# Altium PCB ALCT_MEZ_SPARTAN6T.PcbDoc (part 10 of 12)
Units mil, origin at the board's own origin, x right, y up, seen from the top; angles counter-clockwise.
Board outline 4100 x 5351.19 mil, 12 copper layers (Top Layer, Mid-Layer 1, +3V3, Mid-Layer 2, +1V2, Mid-Layer 4, +1V8, Mid-Layer 5, GND1, Mid-Layer 7, GND2, Bottom Layer), stack 64.7 mil thick; 320 components, 598 nets, 2316 pads, 1572 vias.
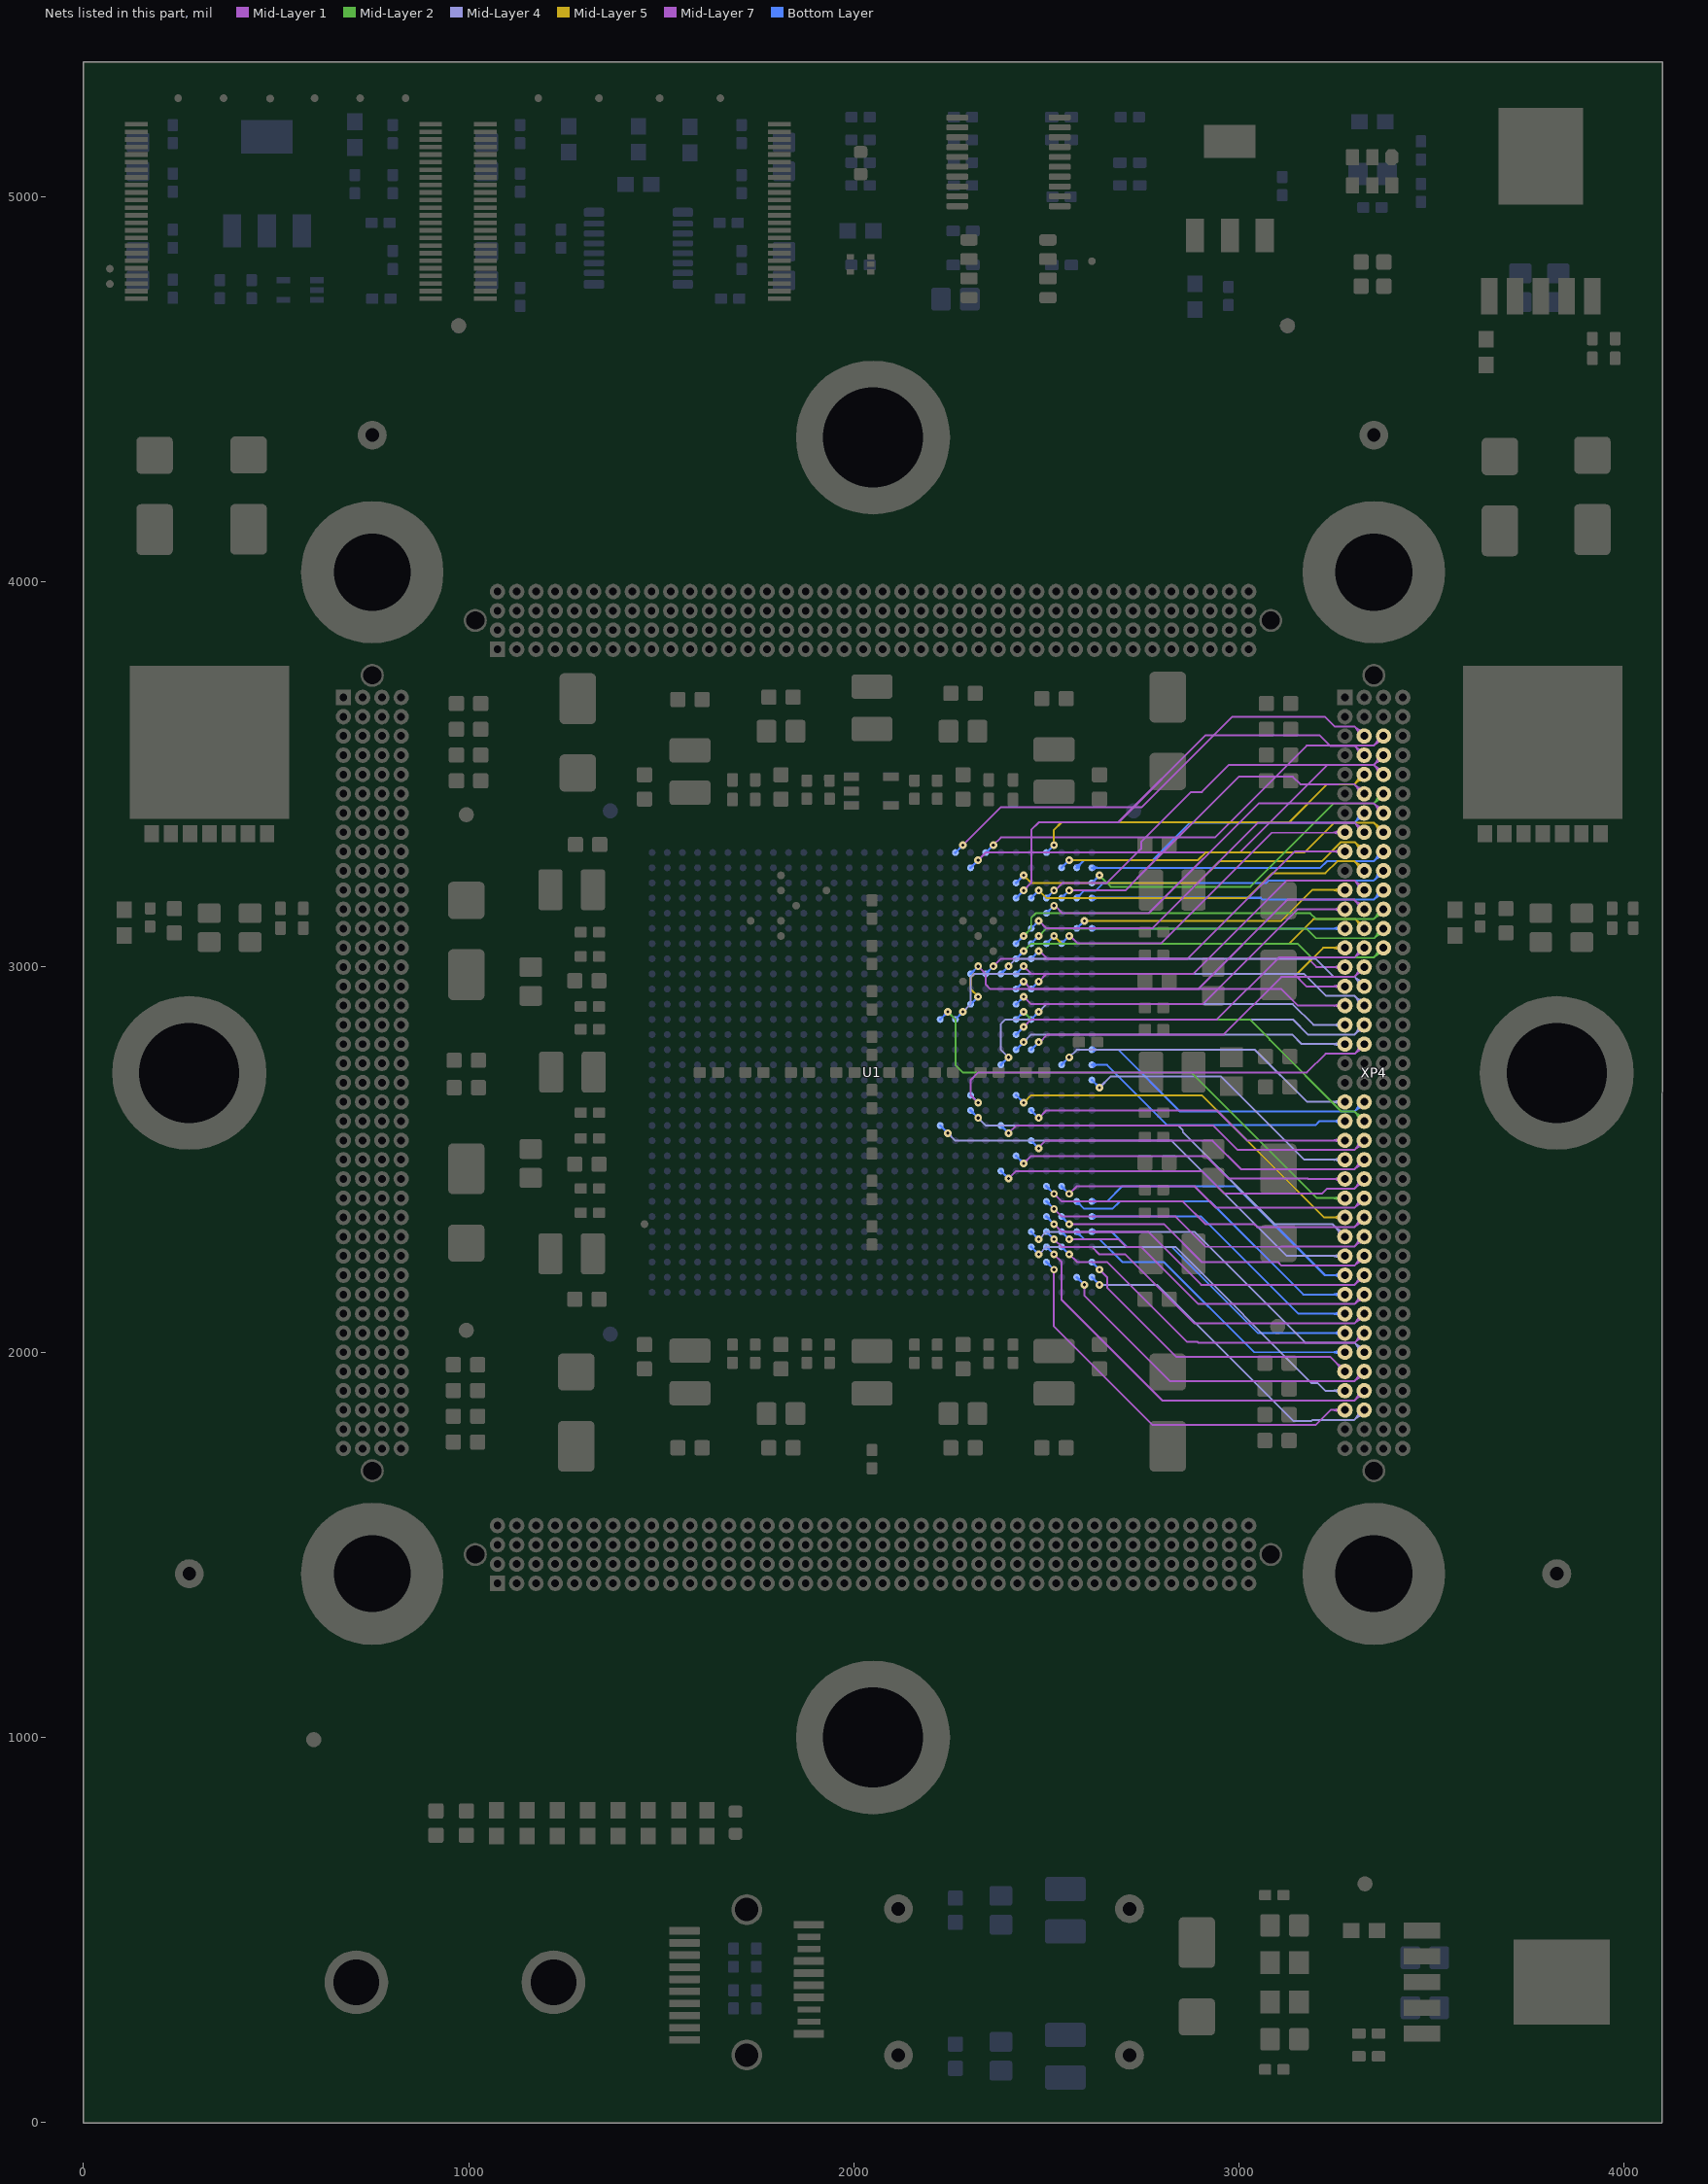
[diagram p20: the nets of this part, all layers, seen from the top]

## Via types
v1: diameter 20, hole 8, Top Layer to Bottom Layer, tented both sides, 1562 vias
v2: diameter 40, hole 20, Top Layer to Bottom Layer, 6 vias
v3: diameter 40, hole 20, Top Layer to Bottom Layer, tented both sides, 4 vias

## Nets (pads, with @x,y where several pads share a name; then routed paths per layer and width w, separated by ;. In a path a pad name is that pad's centre, name@x,y a point inside that pad or via, vN(x,y) a via of type N, cw(c..) or ccw(c..) an arc to the next point about the centre after c; other vN are vias at no path point) (continued)
XP4A_8: U1.C24 XP4.A8 | length 1037.8
  Mid-Layer 1 w5: v1(2559.06,3080.7) 2561.59,3080.7 2581.1,3061.19 2797.39,3061.19 3085.02,3348.82 XP4.A8@3275,3348.82 ; 3239.56,3348.82 ccw(c3239.56,3385.44) 3265.46,3359.55 cw(c3239.55,3385.44) 3239.55,3348.82 ; 3245.26,3348.82 cw(c3245.26,3320.26) 3265.46,3340.45 ccw(c3245.26,3320.26) 3245.26,3348.82 ; 3251.63,3348.82 ccw(c3251.63,3373.37) 3268.99,3356.01 cw(c3251.62,3373.37) 3251.62,3348.82 ; 3257.34,3348.82 cw(c3257.34,3332.33) 3268.99,3343.99 ccw(c3257.33,3332.33) 3257.33,3348.82
  Bottom Layer w6: U1.C24@2539.38,3061.01 v1(2559.06,3080.7)
XP4A_9: U1.E23 XP4.A9 | length 1112.7
  Mid-Layer 1 w5: v1(2480.33,3041.33) 2482.86,3041.33 2502.37,3021.82 2866.29,3021.82 3144.47,3300 XP4.A9@3275,3300 ; 3242.41,3300 ccw(c3242.41,3332.59) 3265.46,3309.55 cw(c3242.4,3332.59) 3242.4,3300 ; 3242.41,3300 cw(c3242.41,3267.41) 3265.46,3290.45 ccw(c3242.4,3267.41) 3242.4,3300 ; 3254.48,3300 ccw(c3254.48,3320.52) 3268.99,3306.01 cw(c3254.48,3320.52) 3254.48,3300 ; 3254.48,3300 cw(c3254.48,3279.48) 3268.99,3293.99 ccw(c3254.48,3279.48) 3254.48,3300
  Bottom Layer w6: U1.E23@2460.63,3021.65 v1(2480.33,3041.33)
XP4A_11: U1.B25 XP4.A11 | length 904.4
  Mid-Layer 5 w5: v1(2598.43,3120.08) 3110.24,3120.08 3190.16,3200 XP4.A11@3275,3200 ; 3242.41,3200 ccw(c3242.41,3232.59) 3265.46,3209.55 cw(c3242.4,3232.59) 3242.4,3200 ; 3242.41,3200 cw(c3242.41,3167.41) 3265.46,3190.45 ccw(c3242.4,3167.41) 3242.4,3200 ; 3254.48,3200 ccw(c3254.48,3220.52) 3268.99,3206.01 cw(c3254.48,3220.52) 3254.48,3200 ; 3254.48,3200 cw(c3254.48,3179.48) 3268.99,3193.99 ccw(c3254.48,3179.48) 3254.48,3200
  Bottom Layer w6: U1.B25@2578.74,3100.39 v1(2598.43,3120.08)
XP4A_12: U1.F20 XP4.A12 | length 1138.9
  Mid-Layer 1 w5: v1(2440.94,2923.19) 2460.45,2903.68 2905.63,2903.68 3151.95,3150 XP4.A12@3275,3150 ; 3242.41,3150 ccw(c3242.41,3182.59) 3265.46,3159.55 cw(c3242.4,3182.59) 3242.4,3150 ; 3242.41,3150 cw(c3242.41,3117.41) 3265.46,3140.45 ccw(c3242.4,3117.41) 3242.4,3150 ; 3254.48,3150 ccw(c3254.48,3170.52) 3268.99,3156.01 cw(c3254.48,3170.52) 3254.48,3150 ; 3254.48,3150 cw(c3254.48,3129.48) 3268.99,3143.99 ccw(c3254.48,3129.48) 3254.48,3150
  Bottom Layer w6: U1.F20@2421.26,2903.51 v1(2440.94,2923.19)
XP4A_13: U1.A25 XP4.A13 | length 848.1
  Bottom Layer w5: U1.A25@2618.11,3100.39 2618.3,3100.21 3275,3100.21 XP4.A13@3275,3100 ; U1.A25@2622.61,3095.9 cw(c2633.01,3085.49) 2633.01,3100.21 ; U1.A25@2622.61,3104.89 ccw(c2633.91,3116.19) 2633.91,3100.21 ; 3241.91,3100.21 cw(c3241.91,3066.9) 3265.46,3090.45 ccw(c3241.9,3066.9) 3241.9,3100.21 ; 3242.92,3100.21 ccw(c3242.92,3132.09) 3265.46,3109.55 cw(c3242.91,3132.09) 3242.91,3100.21 ; 3253.98,3100.21 cw(c3253.98,3078.98) 3268.99,3093.99 ccw(c3253.97,3078.98) 3253.97,3100.21 ; 3254.99,3100.21 ccw(c3254.99,3120.02) 3268.99,3106.01 cw(c3254.98,3120.02) 3254.98,3100.21
XP4A_14: U1.J20 XP4.A14 | length 1255.9
  Mid-Layer 5 w5: v1(2322.84,2923.19) 2303.34,2942.68 2303.34,2972.64 2312.99,2982.28 3150.79,2982.28 3218.5,3050 XP4.A14@3275,3050 ; 3242.41,3050 ccw(c3242.41,3082.59) 3265.46,3059.55 cw(c3242.4,3082.59) 3242.4,3050 ; 3242.41,3050 cw(c3242.41,3017.41) 3265.46,3040.45 ccw(c3242.4,3017.41) 3242.4,3050 ; 3254.48,3050 ccw(c3254.48,3070.52) 3268.99,3056.01 cw(c3254.48,3070.52) 3254.48,3050 ; 3254.48,3050 cw(c3254.48,3029.48) 3268.99,3043.99 ccw(c3254.48,3029.48) 3254.48,3050
  Bottom Layer w6: U1.J20@2303.16,2903.51 v1(2322.84,2923.19)
XP4A_15: U1.H22 XP4.A15 | length 1124.5
  Mid-Layer 7 w5: v1(2362.21,3001.96) 2381.72,3021.47 3179.32,3021.47 3200.79,3000 XP4.A15@3275,3000 ; 3242.41,3000 ccw(c3242.41,3032.59) 3265.46,3009.55 cw(c3242.4,3032.59) 3242.4,3000 ; 3242.41,3000 cw(c3242.41,2967.41) 3265.46,2990.45 ccw(c3242.4,2967.41) 3242.4,3000 ; 3254.48,3000 ccw(c3254.48,3020.52) 3268.99,3006.01 cw(c3254.48,3020.52) 3254.48,3000 ; 3254.48,3000 cw(c3254.48,2979.48) 3268.99,2993.99 ccw(c3254.48,2979.48) 3254.48,3000
  Bottom Layer w6: U1.H22@2342.52,2982.28 v1(2362.21,3001.96)
XP4A_16: U1.E21 XP4.A16 | length 1010.9
  Mid-Layer 7 w5: v1(2480.33,2962.6) 2500.02,2982.28 3142.72,2982.28 3175,2950 XP4.A16@3275,2950 ; 3242.41,2950 ccw(c3242.41,2982.59) 3265.46,2959.55 cw(c3242.4,2982.59) 3242.4,2950 ; 3242.41,2950 cw(c3242.41,2917.41) 3265.46,2940.45 ccw(c3242.4,2917.41) 3242.4,2950 ; 3254.48,2950 ccw(c3254.48,2970.52) 3268.99,2956.01 cw(c3254.48,2970.52) 3254.48,2950 ; 3254.48,2950 cw(c3254.48,2929.48) 3268.99,2943.99 ccw(c3254.48,2929.48) 3254.48,2950
  Bottom Layer w6: U1.E21@2460.63,2942.91 v1(2480.33,2962.6)
XP4A_17: U1.J22 XP4.A17 | length 1205.2
  Mid-Layer 7 w5: v1(2322.84,3001.96) 2342.71,2982.1 2342.71,2954.52 2354.32,2942.91 3110.24,2942.91 3153.15,2900 XP4.A17@3275,2900 ; 3242.41,2900 ccw(c3242.41,2932.59) 3265.46,2909.55 cw(c3242.4,2932.59) 3242.4,2900 ; 3242.41,2900 cw(c3242.41,2867.41) 3265.46,2890.45 ccw(c3242.4,2867.41) 3242.4,2900 ; 3254.48,2900 ccw(c3254.48,2920.52) 3268.99,2906.01 cw(c3254.48,2920.52) 3254.48,2900 ; 3254.48,2900 cw(c3254.48,2879.48) 3268.99,2893.99 ccw(c3254.48,2879.48) 3254.48,2900
  Bottom Layer w6: U1.J22@2303.15,2982.28 v1(2322.84,3001.96)
XP4A_18: U1.E19 XP4.A18 | length 1019.7
  Mid-Layer 4 w5: v1(2480.32,2883.84) 2500.03,2903.54 3139.76,2903.54 3193.31,2850 XP4.A18@3275,2850 ; 3242.41,2850 ccw(c3242.41,2882.59) 3265.46,2859.55 cw(c3242.4,2882.59) 3242.4,2850 ; 3242.41,2850 cw(c3242.41,2817.41) 3265.46,2840.45 ccw(c3242.4,2817.41) 3242.4,2850 ; 3254.48,2850 ccw(c3254.48,2870.52) 3268.99,2856.01 cw(c3254.48,2870.52) 3254.48,2850 ; 3254.48,2850 cw(c3254.48,2829.48) 3268.99,2843.99 ccw(c3254.48,2829.48) 3254.48,2850
  Bottom Layer w6: U1.E19@2460.63,2864.17 v1(2480.32,2883.84)
XP4A_19: U1.F17 XP4.A19 | length 1047
  Mid-Layer 4 w5: v1(2440.94,2805.11) 2460.45,2824.62 3138,2824.62 3162.62,2800 XP4.A19@3275,2800 ; 3242.41,2800 ccw(c3242.41,2832.59) 3265.46,2809.55 cw(c3242.4,2832.59) 3242.4,2800 ; 3242.41,2800 cw(c3242.41,2767.41) 3265.46,2790.45 ccw(c3242.4,2767.41) 3242.4,2800 ; 3254.48,2800 ccw(c3254.48,2820.52) 3268.99,2806.01 cw(c3254.48,2820.52) 3254.48,2800 ; 3254.48,2800 cw(c3254.48,2779.48) 3268.99,2793.99 ccw(c3254.48,2779.48) 3254.48,2800
  Bottom Layer w6: U1.F17@2421.26,2785.43 v1(2440.94,2805.11)
XP4A_22: U1.C16 XP4.A22 | length 974.7
  Mid-Layer 4 w5: v1(2559.06,2765.75) 2578.55,2785.25 3041.51,2785.25 3176.75,2650 XP4.A22@3275,2650 ; 3242.41,2650 ccw(c3242.41,2682.59) 3265.46,2659.55 cw(c3242.4,2682.59) 3242.4,2650 ; 3242.41,2650 cw(c3242.41,2617.41) 3265.46,2640.45 ccw(c3242.4,2617.41) 3242.4,2650 ; 3254.48,2650 ccw(c3254.48,2670.52) 3268.99,2656.01 cw(c3254.48,2670.52) 3254.48,2650 ; 3254.48,2650 cw(c3254.48,2629.48) 3268.99,2643.99 ccw(c3254.48,2629.48) 3254.48,2650
  Bottom Layer w6: U1.C16@2539.37,2746.06 v1(2559.06,2765.75)
XP4A_23: U1.A16 XP4.A23 | length 916.8
  Bottom Layer w5: U1.A16@2618.11,2746.06 2657.48,2746.06 2813.78,2589.77 3198.82,2589.77 3209.05,2600 XP4.A23@3275,2600 ; U1.A16@2622.61,2741.57 cw(c2633.46,2730.71) 2633.46,2746.06 cw(c2633.46,2761.41) U1.A16@2622.61,2750.56 ; 3242.4,2600 cw(c3242.4,2567.41) 3265.45,2590.45 ccw(c3242.41,2567.41) 3242.41,2600 ; 3242.4,2600 ccw(c3242.4,2632.59) 3265.45,2609.55 cw(c3242.41,2632.59) 3242.41,2600 ; 3254.48,2600 cw(c3254.48,2579.48) 3268.99,2593.99 ccw(c3254.48,2579.48) 3254.48,2600 ; 3254.48,2600 ccw(c3254.48,2620.52) 3268.99,2606.01 cw(c3254.48,2620.52) 3254.48,2600
XP4A_24: U1.E13 XP4.A24 | length 1029.7
  Mid-Layer 1 w5: v1(2480.33,2608.26) 2499.84,2627.78 2942.91,2627.78 3020.69,2550 XP4.A24@3275,2550 ; 3242.41,2550 ccw(c3242.41,2582.59) 3265.46,2559.55 cw(c3242.4,2582.59) 3242.4,2550 ; 3242.41,2550 cw(c3242.41,2517.41) 3265.46,2540.45 ccw(c3242.4,2517.41) 3242.4,2550 ; 3254.48,2550 ccw(c3254.48,2570.52) 3268.99,2556.01 cw(c3254.48,2570.52) 3254.48,2550 ; 3254.48,2550 cw(c3254.48,2529.48) 3268.99,2543.99 ccw(c3254.48,2529.48) 3254.48,2550
  Bottom Layer w6: U1.E13@2460.63,2627.95 v1(2480.33,2608.26)
XP4A_25: U1.A15 XP4.A25 | length 933.8
  Mid-Layer 4 w5: v1(2637.8,2687.01) 2667.32,2716.54 2952.76,2716.54 3169.29,2500 XP4.A25@3275,2500 ; 3242.41,2500 ccw(c3242.41,2532.59) 3265.46,2509.55 cw(c3242.4,2532.59) 3242.4,2500 ; 3242.41,2500 cw(c3242.41,2467.41) 3265.46,2490.45 ccw(c3242.4,2467.41) 3242.4,2500 ; 3254.48,2500 ccw(c3254.48,2520.52) 3268.99,2506.01 cw(c3254.48,2520.52) 3254.48,2500 ; 3254.48,2500 cw(c3254.48,2479.48) 3268.99,2493.99 ccw(c3254.48,2479.48) 3254.48,2500
  Bottom Layer w6: U1.A15@2618.11,2706.69 v1(2637.8,2687.01)
XP4A_26: U1.F10 XP4.A26 | length 1061.5
  Mid-Layer 1 w5: v1(2440.94,2490.14) 2460.47,2509.67 2913.39,2509.67 2972.45,2450.6 3178.53,2450.6 3179.13,2450 XP4.A26@3275,2450 ; 3242.41,2450 ccw(c3242.41,2482.59) 3265.46,2459.55 cw(c3242.4,2482.59) 3242.4,2450 ; 3242.41,2450 cw(c3242.41,2417.41) 3265.46,2440.45 ccw(c3242.4,2417.41) 3242.4,2450 ; 3254.48,2450 ccw(c3254.48,2470.52) 3268.99,2456.01 cw(c3254.48,2470.52) 3254.48,2450 ; 3254.48,2450 cw(c3254.48,2429.48) 3268.99,2443.99 ccw(c3254.48,2429.48) 3254.48,2450
  Bottom Layer w6: U1.F10@2421.26,2509.84 v1(2440.94,2490.14)
XP4A_27: U1.L19 XP4.A27 | length 1495.6
  Mid-Layer 2 w5: v1(2244.09,2883.84) 2263.78,2864.14 2263.78,2745.4 2283.46,2725.72 2876.62,2725.72 3202.34,2400 XP4.A27@3275,2400 ; 3242.41,2400 ccw(c3242.41,2432.59) 3265.46,2409.55 cw(c3242.4,2432.59) 3242.4,2400 ; 3242.41,2400 cw(c3242.41,2367.41) 3265.46,2390.45 ccw(c3242.4,2367.41) 3242.4,2400 ; 3254.48,2400 ccw(c3254.48,2420.52) 3268.99,2406.01 cw(c3254.48,2420.52) 3254.48,2400 ; 3254.48,2400 cw(c3254.48,2379.48) 3268.99,2393.99 ccw(c3254.48,2379.48) 3254.48,2400
  Bottom Layer w6: U1.L19@2224.41,2864.17 v1(2244.09,2883.84)
XP4A_28: U1.F14 XP4.A28 | length 1168.2
  Mid-Layer 5 w5: v1(2440.94,2647.63) 2460.45,2667.14 2903.73,2667.14 3220.87,2350 XP4.A28@3275,2350 ; 3242.41,2350 ccw(c3242.41,2382.59) 3265.46,2359.55 cw(c3242.4,2382.59) 3242.4,2350 ; 3242.41,2350 cw(c3242.41,2317.41) 3265.46,2340.45 ccw(c3242.4,2317.41) 3242.4,2350 ; 3254.48,2350 ccw(c3254.48,2370.52) 3268.99,2356.01 cw(c3254.48,2370.52) 3254.48,2350 ; 3254.48,2350 cw(c3254.48,2329.48) 3268.99,2343.99 ccw(c3254.48,2329.48) 3254.48,2350
  Bottom Layer w6: U1.F14@2421.26,2667.31 v1(2440.94,2647.63)
XP4A_29: U1.J13 XP4.A29 | length 1278
  Mid-Layer 4 w5: v1(2322.84,2608.26) 2342.71,2588.4 2842.72,2588.4 2854.15,2576.97 2854.15,2571.03 3092.69,2332.49 3242.51,2332.49 XP4.A29@3275,2300 ; XP4.A29@3261.5,2300 ccw(c3228.91,2300) 3251.95,2323.05 ccw(c3275,2346.09) XP4.A29@3275,2313.5 ; XP4.A29@3261.5,2300 ccw(c3228.91,2300) 3251.96,2323.04 ccw(c3275,2346.09) XP4.A29@3275,2313.5 ; XP4.A29@3266.5,2300 ccw(c3245.98,2300) 3260.49,2314.51 ; XP4.A29@3266.5,2300 ccw(c3245.98,2300) 3260.49,2314.51 ; XP4.A29@3275,2308.5 cw(c3275,2329.02) 3260.49,2314.51 ; XP4.A29@3275,2308.5 cw(c3275,2329.02) 3260.49,2314.51
  Bottom Layer w6: U1.J13@2303.15,2627.95 v1(2322.84,2608.26)
XP4A_30: U1.L12 XP4.A30 | length 1366
  Mid-Layer 4 w5: v1(2244.09,2568.89) 2263.96,2549.03 2824.99,2549.03 3080.52,2293.49 3124.02,2250 3232.47,2250 XP4.A30@3275,2250 XP4.A30@3269.09,2244.09 ; 3242.41,2250 ccw(c3242.41,2282.59) 3265.46,2259.55 cw(c3242.4,2282.59) 3242.4,2250 ; 3242.41,2250 cw(c3242.41,2217.41) 3265.46,2240.45 ccw(c3242.4,2217.41) 3242.4,2250 ; 3254.48,2250 ccw(c3254.48,2270.52) 3268.99,2256.01 cw(c3254.48,2270.52) 3254.48,2250 ; 3254.48,2250 cw(c3254.48,2229.48) 3268.99,2243.99 ccw(c3254.48,2229.48) 3254.48,2250
  Bottom Layer w6: U1.L12@2224.41,2588.58 v1(2244.09,2568.89)
XP4A_31: U1.A7 XP4.A31 | length 960.2
  Bottom Layer w5: U1.A7@2618.11,2391.73 2618.11,2391.41 2657.16,2391.41 2696.67,2430.92 2992.31,2430.92 3223.23,2200 XP4.A31@3275,2200 ; U1.A7@2622.61,2387.24 cw(c2632.68,2377.16) 2632.68,2391.41 ; U1.A7@2622.61,2396.23 ccw(c2634.24,2407.86) 2634.24,2391.41 ; 3242.41,2200 ccw(c3242.41,2232.59) 3265.46,2209.55 cw(c3242.4,2232.59) 3242.4,2200 ; 3242.41,2200 cw(c3242.41,2167.41) 3265.46,2190.45 ccw(c3242.4,2167.41) 3242.4,2200 ; 3254.48,2200 ccw(c3254.48,2220.52) 3268.99,2206.01 cw(c3254.48,2220.52) 3254.48,2200 ; 3254.48,2200 cw(c3254.48,2179.48) 3268.99,2193.99 ccw(c3254.48,2179.48) 3254.48,2200
XP4A_32: U1.B7 XP4.A32 | length 1003.4
  Bottom Layer w5: U1.B7@2578.74,2385.37 cw(c2578.74,2370.02) 2589.59,2380.88 cw(c2600.45,2391.73) U1.B7@2585.1,2391.73 ; U1.B7@2578.74,2391.73 2598.1,2372.37 2671.59,2372.37 2690.94,2391.73 2925.18,2391.73 3166.91,2150 XP4.A32@3275,2150 ; 3242.41,2150 ccw(c3242.41,2182.59) 3265.46,2159.55 cw(c3242.4,2182.59) 3242.4,2150 ; 3242.41,2150 cw(c3242.41,2117.41) 3265.46,2140.45 ccw(c3242.4,2117.41) 3242.4,2150 ; 3254.48,2150 ccw(c3254.48,2170.52) 3268.99,2156.01 cw(c3254.48,2170.52) 3254.48,2150 ; 3254.48,2150 cw(c3254.48,2129.48) 3268.99,2143.99 ccw(c3254.48,2129.48) 3254.48,2150
XP4A_33: U1.A6 XP4.A33 | length 952.4
  Bottom Layer w5: U1.A6@2618.11,2352.36 2901.59,2352.36 3153.96,2100 XP4.A33@3275,2100 ; U1.A6@2622.61,2347.87 cw(c2633.46,2337.01) 2633.46,2352.36 cw(c2633.46,2367.71) U1.A6@2622.61,2356.86 ; 3242.41,2100 ccw(c3242.41,2132.59) 3265.46,2109.55 cw(c3242.4,2132.59) 3242.4,2100 ; 3242.41,2100 cw(c3242.41,2067.41) 3265.46,2090.45 ccw(c3242.4,2067.41) 3242.4,2100 ; 3254.48,2100 ccw(c3254.48,2120.52) 3268.99,2106.01 cw(c3254.48,2120.52) 3254.48,2100 ; 3254.48,2100 cw(c3254.48,2079.48) 3268.99,2093.99 ccw(c3254.48,2079.48) 3254.48,2100
XP4A_34: U1.A5 XP4.A34 | length 956.8
  Bottom Layer w5: U1.A5@2618.11,2312.99 2669.27,2312.99 2708.46,2273.81 2824.62,2273.81 3048.43,2050 XP4.A34@3275,2050 ; U1.A5@2622.61,2308.5 cw(c2633.46,2297.64) 2633.46,2312.99 cw(c2633.46,2328.34) U1.A5@2622.61,2317.49 ; 3242.41,2050 ccw(c3242.41,2082.59) 3265.46,2059.55 cw(c3242.4,2082.59) 3242.4,2050 ; 3242.41,2050 cw(c3242.41,2017.41) 3265.46,2040.45 ccw(c3242.4,2017.41) 3242.4,2050 ; 3254.48,2050 ccw(c3254.48,2070.52) 3268.99,2056.01 cw(c3254.48,2070.52) 3254.48,2050 ; 3254.48,2050 cw(c3254.48,2029.48) 3268.99,2043.99 ccw(c3254.48,2029.48) 3254.48,2050
XP4A_35: U1.B5 XP4.A35 | length 1043.8
  Bottom Layer w5: U1.B5@2578.74,2306.63 cw(c2578.74,2291.28) 2589.59,2302.14 cw(c2600.45,2312.99) U1.B5@2585.1,2312.99 ; 2597.75,2293.98 U1.B5@2578.74,2312.99 2598.75,2292.98 2638.79,2292.98 2697.71,2234.07 2805.3,2234.07 3039.37,2000 XP4.A35@3275,2000 ; 3242.41,2000 ccw(c3242.41,2032.59) 3265.46,2009.55 cw(c3242.4,2032.59) 3242.4,2000 ; 3242.41,2000 cw(c3242.41,1967.41) 3265.46,1990.45 ccw(c3242.4,1967.41) 3242.4,2000 ; 3254.48,2000 ccw(c3254.48,2020.52) 3268.99,2006.01 cw(c3254.48,2020.52) 3254.48,2000 ; 3254.48,2000 cw(c3254.48,1979.48) 3268.99,1993.99 ccw(c3254.48,1979.48) 3254.48,2000
XP4A_36: U1.A3 XP4.A36 | length 957.6
  Mid-Layer 1 w5: v1(2637.8,2214.57) 2657.48,2194.88 2657.48,2167.3 2836.6,1988.19 3236.81,1988.19 XP4.A36@3275,1950 ; XP4.A36@3261.5,1950 ccw(c3228.91,1950) 3251.95,1973.05 ccw(c3275,1996.09) XP4.A36@3275,1963.5 ; XP4.A36@3261.5,1950 ccw(c3228.91,1950) 3251.96,1973.04 ccw(c3275,1996.09) XP4.A36@3275,1963.5 ; XP4.A36@3266.5,1950 ccw(c3245.98,1950) 3260.49,1964.51 ; XP4.A36@3266.5,1950 ccw(c3245.98,1950) 3260.49,1964.51 ; XP4.A36@3275,1958.5 cw(c3275,1979.02) 3260.49,1964.51 ; XP4.A36@3275,1958.5 cw(c3275,1979.02) 3260.49,1964.51
  Bottom Layer w6: U1.A3@2618.11,2234.25 v1(2637.8,2214.57)
XP4A_37: U1.E4 XP4.A37 | length 1152.3
  Mid-Layer 4 w5: v1(2480.33,2253.93) 2500.02,2273.62 2834.65,2273.62 3188.98,1919.29 3204.53,1919.29 3223.82,1900 XP4.A37@3275,1900 ; 3242.41,1900 ccw(c3242.41,1932.59) 3265.46,1909.55 cw(c3242.4,1932.59) 3242.4,1900 ; 3242.41,1900 cw(c3242.41,1867.41) 3265.46,1890.45 ccw(c3242.4,1867.41) 3242.4,1900 ; 3254.48,1900 ccw(c3254.48,1920.52) 3268.99,1906.01 cw(c3254.48,1920.52) 3254.48,1900 ; 3254.48,1900 cw(c3254.48,1879.48) 3268.99,1893.99 ccw(c3254.48,1879.48) 3254.48,1900
  Bottom Layer w6: U1.E4@2460.64,2273.61 v1(2480.33,2253.93)
XP4A_38: U1.D3 XP4.A38 | length 1219.8
  Mid-Layer 1 w5: v1(2519.7,2214.55) 2519.7,2066.92 2775.59,1811.02 3198.82,1811.02 3237.8,1850 XP4.A38@3275,1850 ; 3242.41,1850 ccw(c3242.41,1882.59) 3265.46,1859.55 cw(c3242.4,1882.59) 3242.4,1850 ; 3242.41,1850 cw(c3242.41,1817.41) 3265.46,1840.45 ccw(c3242.4,1817.41) 3242.4,1850 ; 3254.48,1850 ccw(c3254.48,1870.52) 3268.99,1856.01 cw(c3254.48,1870.52) 3254.48,1850 ; 3254.48,1850 cw(c3254.48,1829.48) 3268.99,1843.99 ccw(c3254.48,1829.48) 3254.48,1850
  Bottom Layer w6: U1.D3@2500,2234.25 v1(2519.7,2214.55)
XP4B_3: U1.K30 XP4.B3 | length 1394.9
  Mid-Layer 7 w5: v1(2283.46,3316.93) 2381.89,3415.35 2748.01,3415.35 2982.66,3650 3223.03,3650 3248.03,3625 3300,3625 XP4.B3@3325,3600 ; XP4.B3@3311.5,3600 ccw(c3278.91,3600) 3301.95,3623.05 ccw(c3325,3646.09) XP4.B3@3325,3613.5 ; XP4.B3@3311.5,3600 ccw(c3278.91,3600) 3301.96,3623.04 ccw(c3325,3646.09) XP4.B3@3325,3613.5 ; XP4.B3@3316.5,3600 ccw(c3295.98,3600) 3310.49,3614.51 ; XP4.B3@3316.5,3600 ccw(c3295.98,3600) 3310.49,3614.51 ; XP4.B3@3325,3608.5 cw(c3325,3629.02) 3310.49,3614.51 ; XP4.B3@3325,3608.5 cw(c3325,3629.02) 3310.49,3614.51
  Bottom Layer w6: U1.K30@2263.78,3297.24 v1(2283.46,3316.93)
XP4B_4: U1.F27 XP4.B4 | length 1348.3
  Mid-Layer 1 w5: v1(2440.94,3198.81) 2460.82,3218.68 2460.82,3356.48 2480.32,3375.98 2687.01,3375.98 2913.39,3602.36 3208.66,3602.36 3236.52,3574.5 3300.5,3574.5 XP4.B4@3325,3550 ; XP4.B4@3311.5,3550 ccw(c3278.91,3550) 3301.95,3573.05 ccw(c3325,3596.09) XP4.B4@3325,3563.5 ; XP4.B4@3311.5,3550 ccw(c3278.91,3550) 3301.96,3573.04 ccw(c3325,3596.09) XP4.B4@3325,3563.5 ; XP4.B4@3316.5,3550 ccw(c3295.98,3550) 3310.49,3564.51 ; XP4.B4@3316.5,3550 ccw(c3295.98,3550) 3310.49,3564.51 ; XP4.B4@3325,3558.5 cw(c3325,3579.02) 3310.49,3564.51 ; XP4.B4@3325,3558.5 cw(c3325,3579.02) 3310.49,3564.51
  Bottom Layer w6: U1.F27@2421.26,3179.13 v1(2440.94,3198.81)
XP4B_5: U1.D30 XP4.B5 | length 1106.7
  Mid-Layer 5 w5: v1(2519.68,3316.93) 2519.68,3356.3 2539.37,3375.98 3129.92,3375.98 3228.44,3474.5 3285.15,3474.5 3285.24,3474.41 3299.41,3474.41 XP4.B5@3325,3500 XP4.B5@3325,3492.32 ; XP4.B5@3311.5,3500 cw(c3278.91,3500) 3301.95,3476.95 ; XP4.B5@3311.5,3500 cw(c3278.91,3500) 3301.96,3476.96 ; XP4.B5@3316.5,3500 cw(c3295.98,3500) 3310.49,3485.49 ; XP4.B5@3316.5,3500 cw(c3295.98,3500) 3310.49,3485.49 ; XP4.B5@3325,3486.5 ccw(c3325,3453.91) 3301.95,3476.95 ; XP4.B5@3325,3491.5 ccw(c3325,3470.98) 3310.49,3485.49 ; XP4.B5@3325,3486.5 ccw(c3325,3453.91) 3301.96,3476.96 ; XP4.B5@3325,3491.5 ccw(c3325,3470.98) 3310.49,3485.49
  Bottom Layer w6: U1.D30@2500,3297.24 v1(2519.68,3316.93)
XP4B_6: U1.C27 XP4.B6 | length 1102.4
  Mid-Layer 1 w5: v1(2559.06,3198.81) 2704.74,3198.81 2736.04,3230.11 2736.04,3230.82 2999.31,3494.09 3139.65,3494.09 3159.15,3474.59 3257.46,3474.59 3257.87,3475 3298.81,3475 XP4.B6@3325,3448.82 ; 3302.79,3471.03 cw(c3281.76,3450) XP4.B6@3311.5,3450 ; 3302.8,3471.01 cw(c3281.79,3450) XP4.B6@3311.5,3450 ; XP4.B6@3316.5,3450 ccw(c3298.83,3450) 3311.32,3462.49 cw(c3298.86,3450) XP4.B6@3316.5,3450 ; XP4.B6@3325,3458.5 cw(c3325,3481.87) 3308.47,3465.34 ccw(c3325,3481.89) XP4.B6@3325,3458.5 ; XP4.B6@3325,3463.5 cw(c3325,3498.94) 3299.93,3473.88 ccw(c3325,3498.96) XP4.B6@3325,3463.5
  Bottom Layer w6: U1.C27@2539.38,3179.13 v1(2559.06,3198.81)
XP4B_7: U1.B29 XP4.B7 | length 996.1
  Bottom Layer w5: U1.B29@2578.74,3257.87 2598.43,3277.56 2775.59,3277.56 2873.03,3375 3300,3375 XP4.B7@3325,3400 ; U1.B29@2578.74,3264.23 ccw(c2578.74,3279.58) 2589.59,3268.73 ccw(c2600.45,3257.87) U1.B29@2585.1,3257.87 ; XP4.B7@3311.5,3400 cw(c3278.9,3400) 3301.95,3376.95 ; XP4.B7@3311.5,3400 cw(c3278.91,3400) 3301.96,3376.96 ; XP4.B7@3316.5,3400 cw(c3295.98,3400) 3310.49,3385.49 ; XP4.B7@3316.5,3400 cw(c3295.98,3400) 3310.49,3385.49 ; XP4.B7@3325,3386.5 ccw(c3325,3353.91) 3301.95,3376.95 ; XP4.B7@3325,3391.5 ccw(c3325,3370.98) 3310.49,3385.49 ; XP4.B7@3325,3386.5 ccw(c3325,3353.91) 3301.96,3376.96 ; XP4.B7@3325,3391.5 ccw(c3325,3370.98) 3310.49,3385.49
XP4B_8: U1.E25 XP4.B8 | length 1171.5
  Mid-Layer 1 w5: v1(2480.33,3120.06) 2480.69,3120.06 2500.19,3100.56 2725.88,3100.56 2726.38,3101.06 2776.26,3101.06 3050.2,3375 3298.82,3375 3300,3375 XP4.B8@3325,3350 ; XP4.B8@3311.5,3350 ccw(c3278.91,3350) 3301.95,3373.05 ccw(c3325,3396.09) XP4.B8@3325,3363.5 ; XP4.B8@3311.5,3350 ccw(c3278.91,3350) 3301.96,3373.04 ccw(c3325,3396.09) XP4.B8@3325,3363.5 ; XP4.B8@3316.5,3350 ccw(c3295.98,3350) 3310.49,3364.51 ; XP4.B8@3316.5,3350 ccw(c3295.98,3350) 3310.49,3364.51 ; XP4.B8@3325,3358.5 cw(c3325,3379.02) 3310.49,3364.51 ; XP4.B8@3325,3358.5 cw(c3325,3379.02) 3310.49,3364.51